# Altium PCB MainBoard.PcbDoc
Units mm, origin at the board's own origin, x right, y up, seen from the top; angles counter-clockwise.
Board outline 260 x 150 mm, 3 copper layers (Top Layer, Mid-Layer 2, Bottom Layer); 7 components, 26 nets, 166 pads, 0 vias.
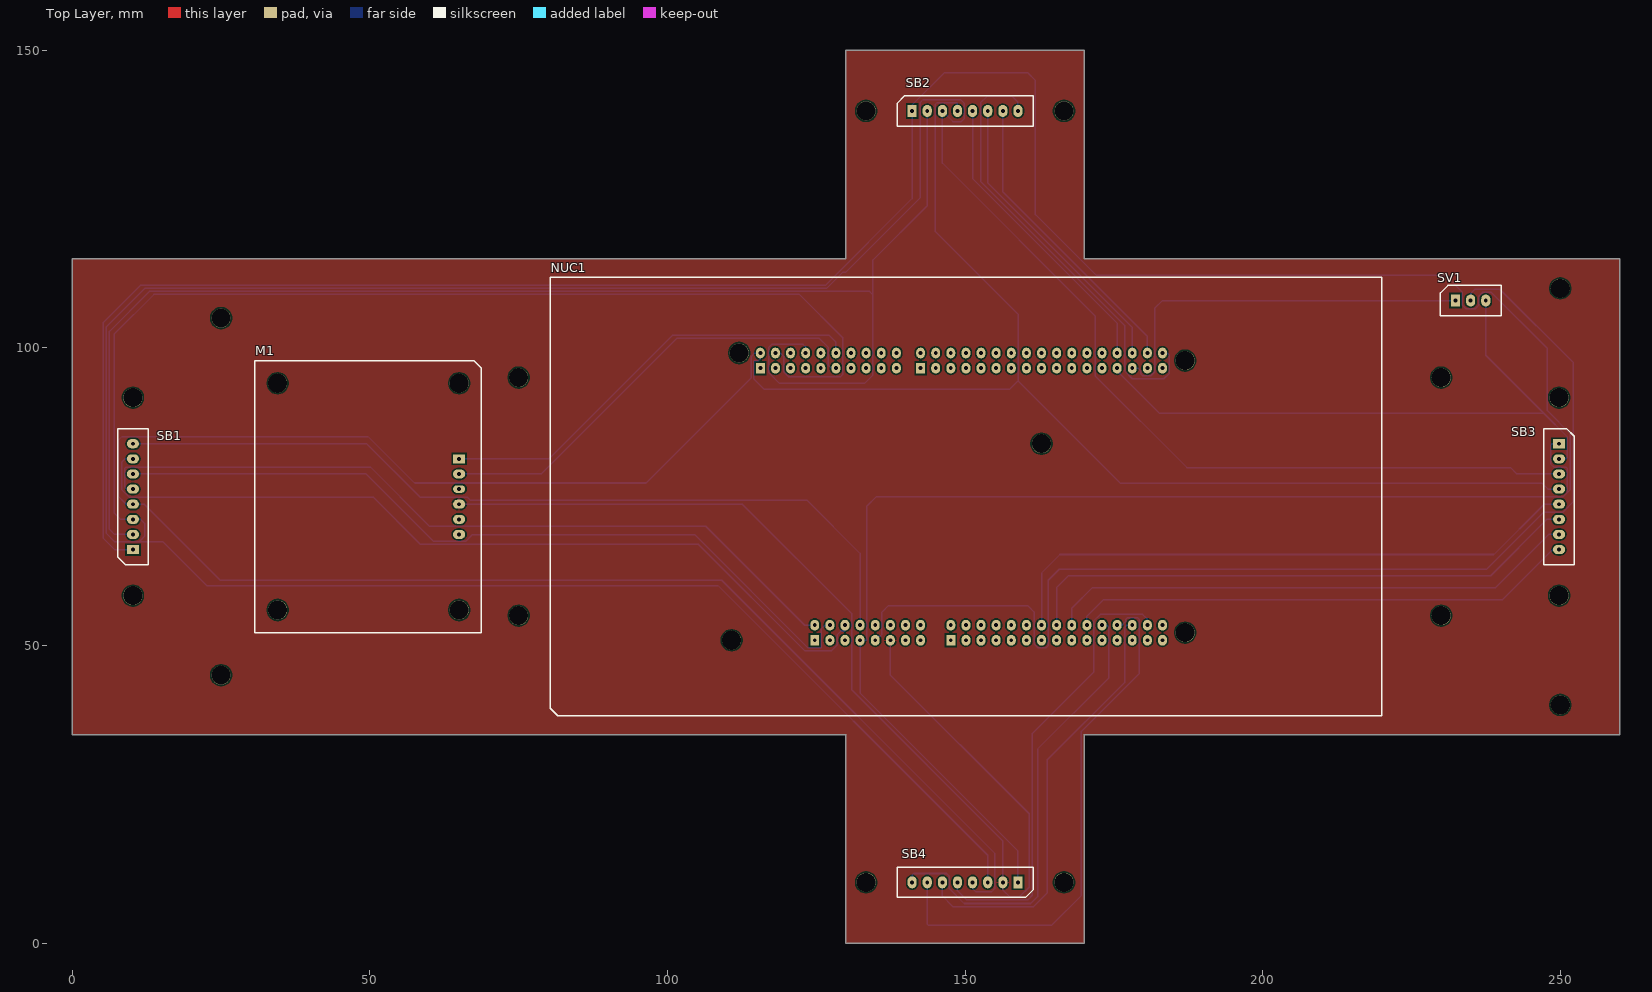
[diagram p0: Top Layer view]
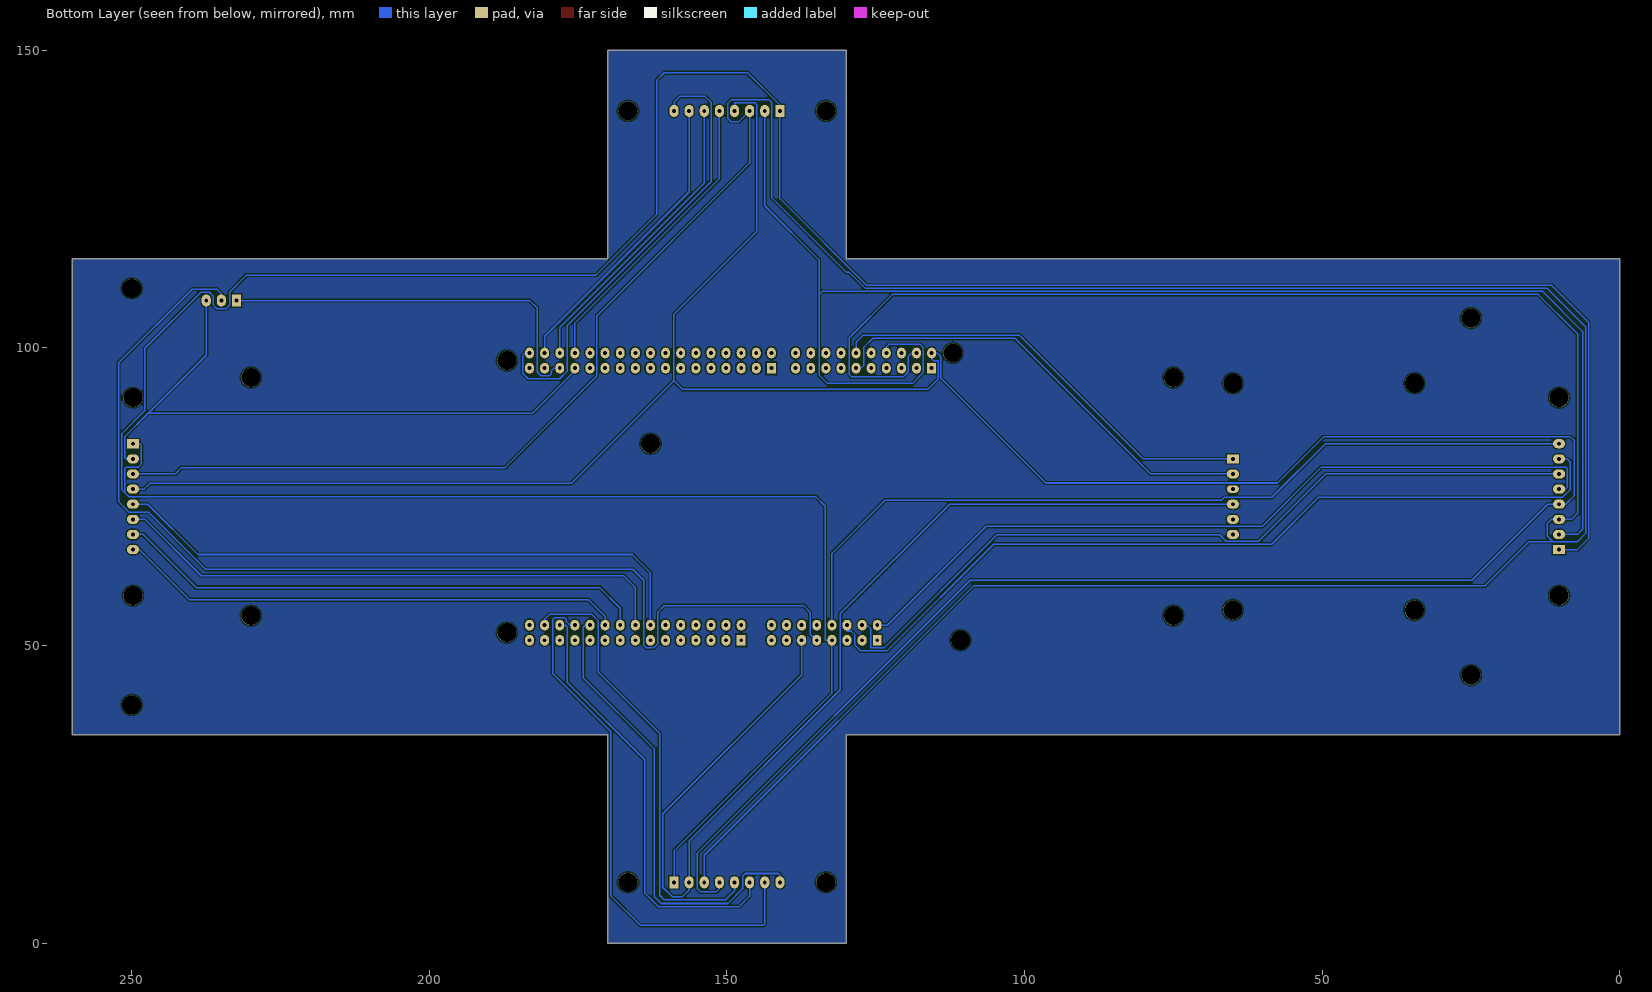
[diagram p1: Bottom Layer view, seen from below]

## Layer stack, top to bottom
Top Solder: solder mask 0.0102, Solder Resist, Dk 3.5
Top Layer: signal copper 0.0356
Dielectric 1: dielectric 0.32, FR-4, Dk 4.8
Mid-Layer 2: signal copper 0.0356
Dielectric2: dielectric 0.32, FR-4, Dk 4.8
Bottom Layer: signal copper 0.0356
Bottom Solder: solder mask 0.0102, Solder Resist, Dk 3.5

## Board outline
0,35 0,115 130,115 130,150 170,150 170,115 260,115 260,35 170,35 170,0 130,0 130,35

## Design rules (kind name [scope] priority, off if disabled: settings)
Clearance [All] p1: gap=0.254 ignorepadtopadclearanceinfootprint=FALSE
HoleSize [All] p1 off: absolutevalues=TRUE maxlimit=2.54 minlimit=0.025 maxpercent=80.000 minpercent=20.000
PolygonConnect [All] p1: connectstyle=Relief reliefconductorwidth=0.254 reliefentries=4 polygonreliefangle="90 Angle" airgapwidth=0.254
RoutingVias [All] p1: holewidth=0.711 width=1.27 viastyle="Through Hole" minholewidth=0.711 minwidth=1.27 maxholewidth=0.711 maxwidth=1.27
SolderMaskExpansion [All] p1: expansion=0.102 istentingtop=FALSE
Width [All] p1: maxlimit=0.254 minlimit=0.254 preferedwidth=0.254
29 further rules are at their usual default settings.

## Components (designator, comment, footprint, x,y, rotation, side; value= is the part's Value field where it differs from the comment)
M1 "HEADER_MOTOR" HEADER_MOTOR 65,81.35 r270 top
NUC1 "HEADER_NUCLEO" HEADER_NUCLEO 220,38.17 r90 top
SB1 "HEADER_SENSOR_BOARD" HEADER_SENSOR_BOARD 10.2,66.11 r90 top
SB2 "HEADER_SENSOR_BOARD" HEADER_SENSOR_BOARD 141.11,139.8 r0 top
SB3 "HEADER_SENSOR_BOARD" HEADER_SENSOR_BOARD 249.8,83.89 r270 top
SB4 "HEADER_SENSOR_BOARD" HEADER_SENSOR_BOARD 158.89,10.2 r180 top
SV1 "HEADER_SERVO" HEADER_3PIN 232.41,107.95 r0 top

## Footprints (in the part's own frame and the unit in brackets; to place one, negate y for a bottom-side part, rotate by r counter-clockwise, add the part's x,y. Pads: shape width x height; smd on the part's side, far side on the other; paste and mask are expansions set on the pad)
HEADER_3PIN [mil]
  rect 60x80 hole 25.59: 1(0,0)
  oval 60x80 hole 25.59: 2(100,0) 3(200,0)
  silkscreen extent -100,-100 301,100
HEADER_MOTOR [mm]
  rect 1.524x2.032 hole 0.65: 1(0,0)
  oval 1.524x2.032 hole 0.65: 2(2.54,0) 4(7.62,0) 5(10.16,0) 6(12.7,0)
  oval 1.27x2.032 hole 0.65: 3(5.08,0)
  round 3.2 hole 3.2: ""(-12.7,0) ""(-12.7,-30.48) ""(25.4,0) ""(25.4,-30.48)
  silkscreen extent -16.5,-34.36 29.22,3.74, body extent -15.23,-33.09 27.95,2.47, height 16.93
HEADER_NUCLEO [mm] "Header for nucleo board"
  rect 1.8x1.5 hole 0.65: 1(12.7,95.25) 17(12.7,72.39) 47(58.42,104.394) 67(58.42,77.47)
  oval 1.8x1.5 hole 0.65: 2(15.24,95.25) 3(12.7,92.71) 4(15.24,92.71) 5(12.7,90.17) 6(15.24,90.17) 7(12.7,87.63) 8(15.24,87.63) 9(12.7,85.09) 10(15.24,85.09) 11(12.7,82.55) 12(15.24,82.55) 13(12.7,80.01) 14(15.24,80.01) 15(12.7,77.47) 16(15.24,77.47) 18(15.24,72.39) 19(12.7,69.85) 20(15.24,69.85) 21(12.7,67.31) 22(15.24,67.31) 23(12.7,64.77) 24(15.24,64.77) 25(12.7,62.23) 26(15.24,62.23) 27(12.7,59.69) 28(15.24,59.69) 29(12.7,57.15) 30(15.24,57.15) 31(12.7,54.61) 32(15.24,54.61) 33(12.7,52.07) 34(15.24,52.07) 35(12.7,49.53) 36(15.24,49.53) 37(12.7,46.99) 38(15.24,46.99) 39(12.7,44.45) 40(15.24,44.45) 41(12.7,41.91) 42(15.24,41.91) 43(12.7,39.37) 44(15.24,39.37) 45(12.7,36.83) 46(15.24,36.83) 48(60.96,104.394) 49(58.42,101.854) 50(60.96,101.854) 51(58.42,99.314) 52(60.96,99.314) 53(58.42,96.774) 54(60.96,96.774) 55(58.42,94.234) 56(60.96,94.234) 57(58.42,91.694) 58(60.96,91.694) 59(58.42,89.154) 60(60.96,89.154) 61(58.42,86.614) 62(60.96,86.614) 63(58.42,84.074) 64(60.96,84.074) 65(58.42,81.534) 66(60.96,81.534) 68(60.96,77.47) 69(58.42,74.93) 70(60.96,74.93) 71(58.42,72.39) 72(60.96,72.39) 73(58.42,69.85) 74(60.96,69.85) 75(58.42,67.31) 76(60.96,67.31) 77(58.42,64.77) 78(60.96,64.77) 79(58.42,62.23) 80(60.96,62.23) 81(58.42,59.69) 82(60.96,59.69) 83(58.42,57.15) 84(60.96,57.15) 85(58.42,54.61) 86(60.96,54.61) 87(58.42,52.07) 88(60.96,52.07) 89(58.42,49.53) 90(58.42,46.99) 90(60.96,49.53) 92(60.96,46.99) 93(58.42,44.45) 94(60.96,44.45) 95(58.42,41.91) 96(60.96,41.91) 97(58.42,39.37) 98(60.96,39.37) 99(58.42,36.83) 100(60.96,36.83)
  round 3.2 hole 3.2 unplated: ""(12.7,109.22) ""(13.97,33.02) ""(45.72,57.15) ""(59.69,33.02) ""(60.96,107.95)
  silkscreen extent 0,0 73.66,139.7, body extent 1.86,1.23 71.86,138.22, height 22.28
HEADER_SENSOR_BOARD [mm]
  rect 1.524x2.032 hole 0.65: 1(0,0)
  oval 1.524x2.032 hole 0.65: 2(2.54,0) 3(5.08,0) 4(7.62,0) 5(10.16,0) 6(12.7,0) 7(15.24,0) 8(17.78,0)
  round 3.2 hole 3.2: ""(-7.74,0) ""(25.52,0)
  silkscreen extent -2.54,-2.54 20.32,2.54

## Part data
SB1 SB2 SB3 SB4: "Sensor Board header"

## Free pads (board coordinates)
  round 3.2 hole 3.2: ""(25,45) ""(25,105) ""(75,55) ""(75,95) ""(230,55) ""(230,95) ""(250,40) ""(250,110)

## Nets (pads, with @x,y where several pads share a name; then routed paths per layer and width w, separated by ;. In a path a pad name is that pad's centre, name@x,y a point inside that pad or via, vN(x,y) a via of type N, cw(c..) or ccw(c..) an arc to the next point about the centre after c; other vN are vias at no path point)
3V3: NUC1.7 SB1.1 SB2.1 SB3.1 SB4.1 | length 579.9
  Bottom Layer w0.254: SB1.1 7.112,66.11 5.232,67.99 5.232,104.292 11.43,110.49 126.53,110.49 141.11,125.07 SB2.1 141.11,140.78 146.558,146.228 160.528,146.228 161.823,144.932 161.823,122.403 172.009,112.217 230.708,112.217 233.553,109.372 233.553,107.188 234.188,106.553 235.712,106.553 236.347,107.188 236.347,108.712 236.982,109.347 238.379,109.347 247.802,99.924 247.802,89.459 251.714,85.547 251.714,76.2 251.206,75.692 ; SB4.1 158.89,15.481 132.37,42.001 NUC1.7 133.502,50.87 133.502,73.381 135.128,75.006 250.52,75.006 251.206,75.692 ; SB3.1 248.666,83.89 248.387,83.611 248.387,80.493 248.92,79.959 250.952,79.959 251.206,79.705 251.206,75.692
5V: NUC1.9 SV1.2 | length 192.2
  Bottom Layer w0.254: NUC1.9 134.91,51.537 135.738,51.537 136.042,51.841 136.042,55.575 137.16,56.693 160.528,56.693 161.595,55.626 161.595,50.292 162.306,49.581 163.576,49.581 163.982,49.987 163.982,60.96 165.811,62.789 237.592,62.789 247.193,72.39 250.444,72.39 252.222,74.168 252.222,97.485 239.852,109.855 235.687,109.855 234.95,109.118 SV1.2
GND_1: M1.4 NUC1.11 SB4.2 | length 187.2
  Bottom Layer w0.254: M1.4 112.579,73.73 130.962,55.347 130.962,42.545 156.35,17.157 SB4.2 156.35,8.928 157.48,7.798 159.207,7.798 160.782,9.373 160.782,21.717 137.45,45.049 NUC1.11
GND_5: NUC1.54 SB1.2 SB2.2 | length 247.7
  Bottom Layer w0.254: SB1.2 7.112,68.65 6.248,69.514 6.248,102.768 12.954,109.474 133.96,109.474 134.518,108.915 ; NUC1.54 123.226,100.142 122.784,100.584 117.523,100.584 117.015,100.076 117.015,95.862 118.847,94.031 133.096,94.031 134.518,95.453 134.518,108.915 ; SB2.2 143.65,123.889 134.518,114.757 134.518,108.915
GND_9: NUC1.93 SB3.2 SV1.3 | length 108.6
  Bottom Layer w0.254: NUC1.93 175.55,96.154 182.677,89.027 247.218,89.027 ; SV1.3 237.49,98.755 247.218,89.027 ; SB3.2 250.952,81.35 251.206,81.604 251.206,85.039 247.218,89.027
M_1: M1.1 NUC1.58 | length 74.2
  Bottom Layer w0.254: M1.1 80.08,81.35 100.86,102.13 127.13,102.13 128.306,100.954 NUC1.58
M_2: M1.2 NUC1.57 | length 76.6
  Bottom Layer w0.254: M1.2 78.81,78.81 101.619,101.619 125.482,101.619 127.051,100.051 127.051,97.028 127.489,96.59 NUC1.57
S1_GPIO: NUC1.4 SB1.6 | length 133.6
  Bottom Layer w0.254: SB1.6 49.384,78.81 60.687,67.507 66.135,67.507 67.208,68.58 104.628,68.58 123.619,49.589 125.882,49.589 125.882,52.832 126.46,53.41 NUC1.4
S1_INT: NUC1.2 SB1.5 | length 131.7
  Bottom Layer w0.254: SB1.5 9.144,76.27 8.803,76.611 8.803,79.694 9.068,79.959 50.089,79.959 60.02,70.028 106.451,70.028 123.069,53.41 NUC1.2
S2_GPIO: NUC1.8 SB1.8 | length 141.9
  Bottom Layer w0.254: SB1.8 49.46,83.89 58.471,74.879 66.396,74.879 66.853,74.422 123.419,74.422 132.37,65.471 NUC1.8
S2_INT: NUC1.6 SB1.7 | length 142.9
  Bottom Layer w0.254: SB1.7 8.873,81.35 8.295,80.772 8.295,76.185 9.601,74.879 50.597,74.879 58.477,66.999 105.193,66.999 123.111,49.081 127.516,49.081 128.549,50.114 128.549,51.816 129.159,52.426 129.83,52.426 NUC1.6
S3_GPIO: NUC1.96 SB2.6 | length 50.7
  Bottom Layer w0.254: SB2.6 153.81,127.698 178.09,103.418 NUC1.96
S3_INT: NUC1.94 SB2.5 | length 50.7
  Bottom Layer w0.254: SB2.5 151.27,128.439 175.55,104.159 NUC1.94
S4_GPIO: NUC1.100 SB2.8 | length 76.4
  Bottom Layer w0.254: SB2.8 158.89,141.275 157.925,142.24 153.67,142.24 152.654,141.224 152.654,127.957 176.809,103.801 176.809,96.088 178.097,94.801 183.396,94.801 184.302,95.707 184.302,98.806 183.978,99.13 NUC1.100
S4_INT: NUC1.98 SB2.7 | length 50.7
  Bottom Layer w0.254: SB2.7 156.35,126.225 180.63,101.945 NUC1.98
S5_GPIO: NUC1.32 SB3.6 | length 95.5
  Bottom Layer w0.254: NUC1.32 165.39,59.751 167.361,61.722 238.309,61.722 247.777,71.19 SB3.6
S5_INT: NUC1.30 SB3.5 | length 100.5
  Bottom Layer w0.254: NUC1.30 162.85,62.19 165.938,65.278 238.847,65.278 247.299,73.73 SB3.5
S6_GPIO: NUC1.36 SB3.8 | length 85.5
  Bottom Layer w0.254: NUC1.36 170.47,54.9 173.253,57.683 240.304,57.683 248.73,66.11 SB3.8
S6_INT: NUC1.34 SB3.7 | length 89.8
  Bottom Layer w0.254: NUC1.34 167.93,56.236 171.41,59.715 239.147,59.715 248.082,68.65 SB3.7
S7_GPIO: NUC1.42 SB4.6 | length 73.1
  Bottom Layer w0.254: SB4.6 146.19,7.892 147.946,6.136 161.558,6.136 163.83,8.408 163.83,30.786 176.835,43.791 176.835,53.086 177.159,53.41 NUC1.42
S7_INT: NUC1.44 SB4.5 | length 76.1
  Bottom Layer w0.254: SB4.5 148.73,8.803 150.254,7.279 160.556,7.279 161.3,8.022 161.3,35.189 171.602,45.491 171.602,54.102 172.72,55.22 179.832,55.22 180.63,54.422 NUC1.44
S8_GPIO: NUC1.38 SB4.8 | length 77.7
  Bottom Layer w0.254: SB4.8 141.11,11.43 141.364,11.684 146.914,11.684 147.345,11.252 147.345,9.144 149.845,6.644 161.033,6.644 162.255,7.866 162.255,32.664 174.142,44.552 174.142,53.086 173.818,53.41 NUC1.38
S8_INT: NUC1.40 SB4.7 | length 90.1
  Bottom Layer w0.254: SB4.7 143.65,3.187 143.866,2.972 164.541,2.972 169.492,7.923 169.492,35.509 179.273,45.29 179.273,54.356 178.938,54.691 177.292,54.691 176.962,54.361 176.962,54 176.371,53.41 NUC1.40
SCL: NUC1.48 SB1.4 SB2.4 SB3.4 SB4.4 | length 522.1
  Bottom Layer w0.254: SB2.4 148.73,141.199 145.288,141.199 145.034,140.945 145.034,119.507 158.902,105.639 158.902,94.463 ; SB4.4 151.27,9.144 151.829,8.585 154.432,8.585 154.965,9.119 154.965,15.113 109.118,60.96 24.886,60.96 12.116,73.73 SB1.4 9.081,73.73 7.627,75.184 7.627,84.386 8.28,85.039 49.759,85.039 57.506,77.292 96.444,77.292 114.071,94.92 114.071,98.552 114.649,99.13 NUC1.48 115.606,98.161 115.316,97.871 114.475,97.871 114.475,94.801 116.236,93.04 157.48,93.04 158.902,94.463 ; SB3.4 247.929,76.27 246.983,77.216 176.149,77.216 158.902,94.463
SDA: NUC1.50 SB1.3 SB2.3 SB3.3 SB4.3 | length 714.7
  Bottom Layer w0.254: NUC1.50 118.954,99.13 119.532,98.552 119.532,95.987 120.396,95.123 129.057,95.123 129.438,95.504 129.438,101.702 122.174,108.966 13.716,108.966 7.061,102.311 7.061,72.257 8.128,71.19 SB1.3 11.481,71.19 12.192,70.479 12.192,68.377 11.252,67.437 ; SB4.3 153.81,14.757 108.573,59.995 22.676,59.995 15.234,67.437 11.252,67.437 ; SB3.3 242.703,78.81 241.63,79.883 187.274,79.883 171.856,95.301 171.856,105.385 146.19,131.051 SB2.3 147.966,138.024 149.352,138.024 149.885,138.557 149.885,141.072 149.25,141.707 142.926,141.707 142.494,141.275 142.494,125.273 129.896,112.674 129.433,112.674 126.741,109.982 12.192,109.982 5.74,103.53 5.74,68.809 7.112,67.437 11.252,67.437
SV_1: NUC1.95 SV1.1 | length 66.6
  Bottom Layer w0.254: NUC1.95 179.045,96.59 179.502,96.133 179.502,95.639 179.832,95.309 181.212,95.309 181.889,95.987 181.889,106.68 183.159,107.95 SV1.1
pads on no net: M1. M1.3 M1.5 M1.6 NUC1. NUC1.1 NUC1.3 NUC1.5 NUC1.10 NUC1.12 NUC1.13 NUC1.14 NUC1.15 NUC1.16 NUC1.17 NUC1.18 NUC1.19 NUC1.20 NUC1.21 NUC1.22 NUC1.23 NUC1.24 NUC1.25 NUC1.26 NUC1.27 NUC1.28 NUC1.29 NUC1.31 NUC1.33 NUC1.35 NUC1.37 NUC1.39 NUC1.41 NUC1.43 NUC1.45 NUC1.46 NUC1.47 NUC1.49 NUC1.51 NUC1.52 NUC1.53 NUC1.55 NUC1.56 NUC1.59 NUC1.60 NUC1.61 NUC1.62 NUC1.63 NUC1.64 NUC1.65 NUC1.66 NUC1.67 NUC1.68 NUC1.69 NUC1.70 NUC1.71 NUC1.72 NUC1.73 NUC1.74 NUC1.75 NUC1.76 NUC1.77 NUC1.78 NUC1.79 NUC1.80 NUC1.81 NUC1.82 NUC1.83 NUC1.84 NUC1.85 NUC1.86 NUC1.87 NUC1.88 NUC1.89 NUC1.90 NUC1.92 NUC1.97 NUC1.99 SB1. SB2. SB3. SB4.

## Polygon pours and split planes (outlines as drawn)
GND_1 on Top Layer "GND_1_L01_P000" (solid, pour order 0): 0,35 0,115 130,115 130,150 170,150 170,115 260,115 260,35 170,35 170,0 130,0 130,35
GND_1 on Bottom Layer "GND_1_L03_P001" (solid, pour order 1): 0,35 0,115 130,115 130,150 170,150 170,115 260,115 260,35 170,35 170,0 130,0 130,35